# KiCad board TRS80_Model_I_Jap20_E1.kicad_pcb (continued)
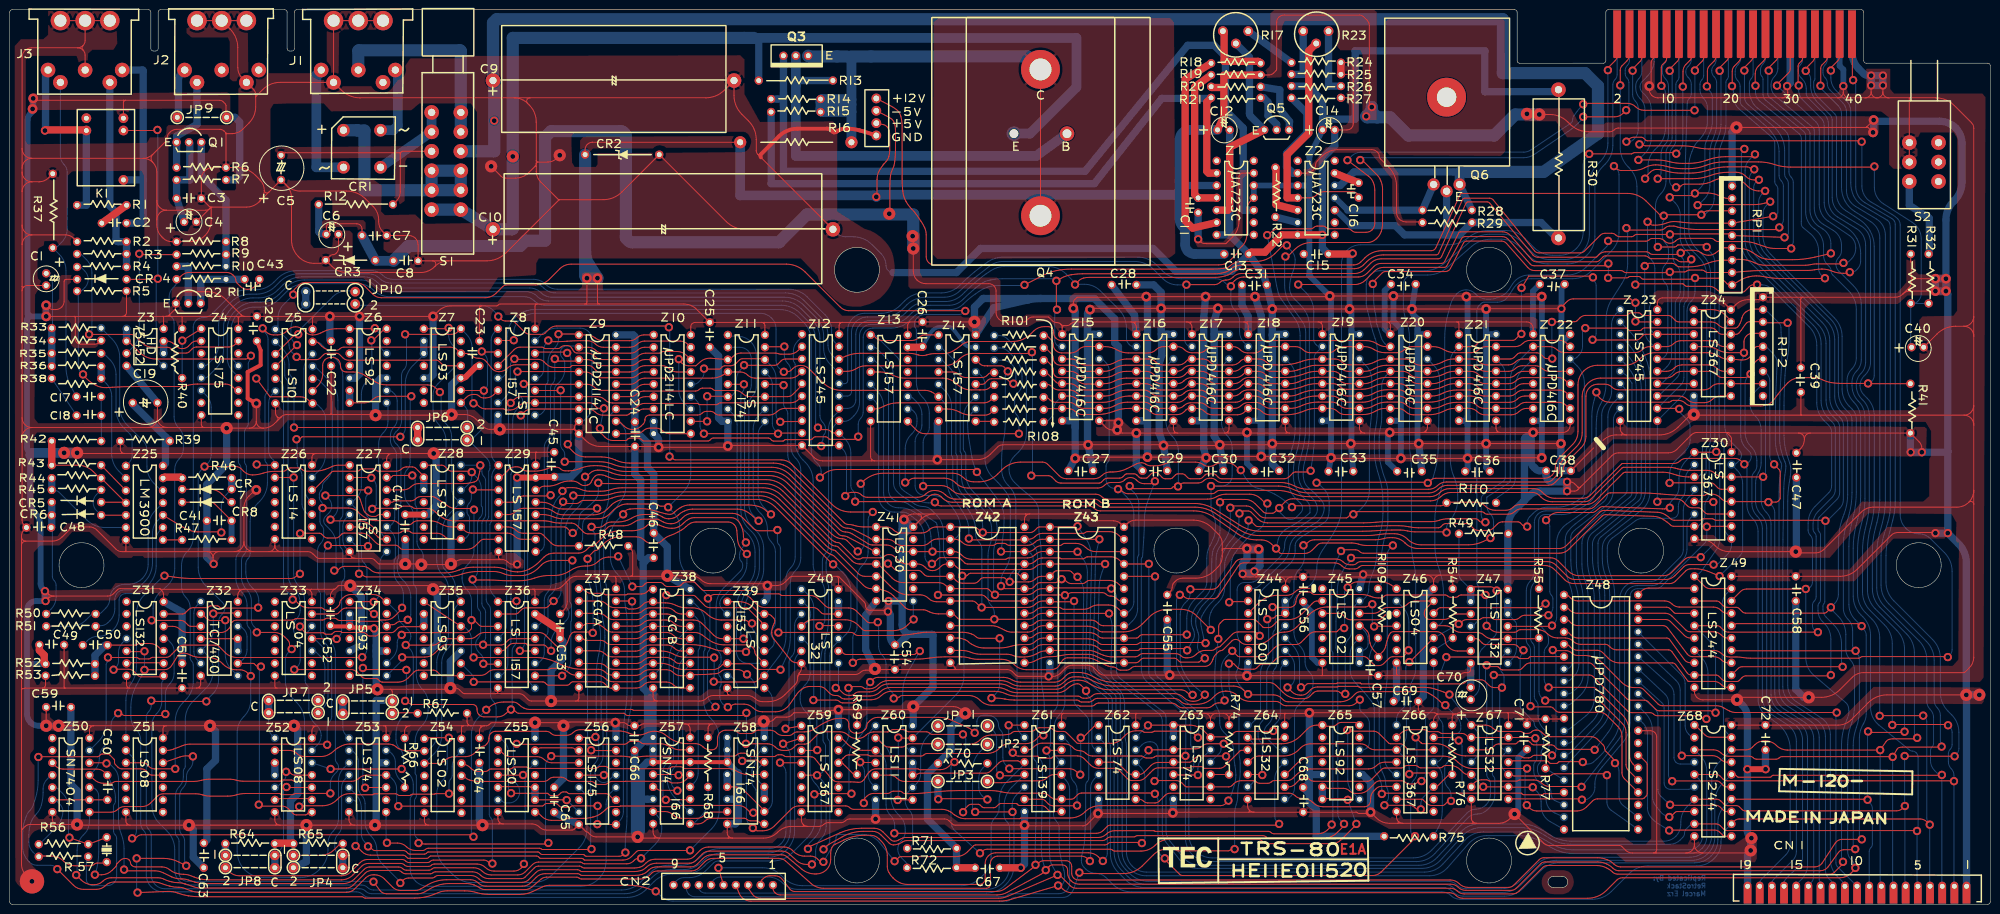
[diagram p0: board, top side]
## Routing (per net, layer and track width the routed paths; a pad name or vN(x,y) marks a point on that pad's centre or on a via; arc(x,y) is an arc through that point) (continued)
Net-(Q2-C): length 10
  Bottom w1.5: Q2.2 36.7,130.98 36.7,131.13 arc(36.68,131.19) 36.63,131.21 36.47,131.21 R10.1
Net-(Q3-B): length 168.2
  Bottom w1.5: 159,166.9 159,165.63 ; 159,166.9 Q3.1 ; 159,166.9 159,164.36 ; 159,165.63 156.46,165.63 ; 159,165.63 159,164.36 ; Z1.10 253.72,142.77 253.57,142.77 arc(253.51,142.79) 253.49,142.84 253.49,143 253.49,159.58 arc(253.48,159.65) 253.44,159.71 249.83,163.32 249.83,174.37 247.52,176.68 242.06,176.68 220.98,150.77 159,150.77 159,164.36
Net-(Q3-C): length 88.4
  Bottom w1.5: R13.2 161.54,169.44 161.54,166.44
  Bottom w2: Q3.2 161.54,153.94 210.94,153.94 Q4.1
Net-(Q3-E): length 123.1
  Top w0.2: Q4.3 Q4.3
  Bottom w2: 166.62,164.99 166.62,165.31 arc(166.71,165.53) 166.94,165.63 172.84,165.63 172.97,165.5 ; 166.62,164.99 166.62,163.72 ; 166.62,164.99 arc(166.81,164.54) 167.26,164.36 ; 172.97,165.5 172.97,173.39 ; 172.97,165.5 172.97,164.5 ; 172.97,163 172.93,162.96 167,162.96 arc(166.73,163.07) 166.62,163.34 166.62,163.72 ; 172.97,163 R16.1 ; 172.97,163 172.97,164.5 ; 166.62,163.72 arc(166.81,164.17) 167.26,164.36 ; 167.26,164.36 172.83,164.36 172.97,164.5 ; 172.97,173.39 172.97,174.39 171.97,174.39 ; 172.97,173.39 arc(172.68,174.1) 171.97,174.39 ; 171.97,174.39 169.97,174.39
  Bottom w2.5: 172.97,174.39 209.12,174.39 arc(209.15,174.38) 209.18,174.37 Q4.3 ; Q3.3 164.16,174.46 arc(164.24,174.41) 164.33,174.39 171.97,174.39
Net-(Q4-E): length 211.6
  Bottom w1.5: R13.1 153.92,178.2 150.92,178.2
  Bottom w2: Q4.2 209.67,158.51 219.2,168.04 219.2,178.2 152.92,178.2
  Bottom w2.5: 152.92,178.2 103.38,178.2 v3(103.38,153.82) 103.38,139.05 arc(103.36,138.96) 103.31,138.89 arc(103.24,138.85) 103.16,138.83 C10.1 S1.6 S1.7
Net-(Q5-B): length 12.9
  Bottom w1.5: Q5.3 263,161 261,163.5 261,167.5 R20.1
Net-(Q5-C): length 8.3
  Bottom w1.5: R21.2 257.68,165.88 258.57,164.99 258.57,162.2 260.35,160.42 Q5.2
Net-(Q5-E): length 43.5
  Top w1.5: Z1.5 250.31,142.77 250.7,143.15 250.7,155.72 Q5.1
  Bottom w1.5: Q5.1 254.97,162.11 arc(254.82,162.35) 254.76,162.62 254.76,174.26 R17.2
Net-(Q6-B): length 24.8
  Bottom w1.2: Z2.11 272.35,145.31 arc(272.4,145.3) 272.45,145.26 274.95,142.77
  Bottom w1.5: Q6.1 R28.2 274.95,142.77
Net-(Q6-C): length 59.5
  Bottom w1.2: 275.71,139.59 272.63,142.68 arc(272.53,142.74) 272.41,142.77 Z2.10
  Bottom w1.5: R30.2 318.07,137.05 arc(317.89,137.09) 317.74,137.19 314.7,140.23 300.48,140.23 297.94,137.69 295.5,137.69 ; Q6.2 295.27,137.91 295.5,137.69 ; 295.5,137.69 286.64,137.69 284.73,139.59 275.71,139.59
Net-(Q6-E): length 350.2
  Bottom w1.5: Z2.12 273.43,147.85 276.22,150.64 299.23,150.64 ; Q6.3 R28.1
  Bottom w2: Q6.3 297.94,150.64 299.23,150.64
  Bottom w2.5: S1.3 99.57,154.88 v2(99.57,161.18) 99.57,169 arc(99.53,169.17) 99.44,169.31 arc(99.35,169.45) 99.31,169.62 99.31,181.31 100.05,182.05 306.79,182.05 306.83,182.01 306.83,170.96 323.72,170.96 326.34,168.34 326.39,168.29 326.39,158.56 326.39,158.51 326.35,158.49 315.21,150.64 299.23,150.64
Net-(R17-Pad1): length 13.9
  Top w1.5: R17.1 249.43,179.47 arc(249.52,179.33) 249.55,179.16 249.55,173.37 256.53,173.37 arc(256.65,173.35) 256.76,173.28 R18.1
Net-(R17-Pad3): length 11
  Bottom w1.5: R24.1 R17.3
Net-(R23-Pad1): length 11.3
  Bottom w1.5: R25.1 265.81,170.71 R23.1
Net-(R23-Pad3): length 13.9
  Bottom w1.5: 271,179.58 R23.3 271.02,168.29 R26.2 273.55,168.29
Net-(R32-Pad2): length 17.1
  Bottom w1.5: 394.46,133.75 394.46,141.12 390.37,143.78 S2.4
Net-(R54-Pad2): length 4.7
  Bottom w0.2: 296.54,54.76 Z46.9
Net-(R56-Pad1): length 20.2
  Top w0.2: v2(12.27,13.71) 16.13,12.34 Y1.2
  Bottom w0.2: Z50.5 9.21,24.02 arc(9.62,23.94) 9.96,23.71 10.86,22.82 arc(11.75,21.48) 12.06,19.9 12.06,14.06 arc(12.09,13.92) 12.16,13.81 v2(12.27,13.71)
Net-(R57-Pad2): length 33.8
  Top w0.2: Y1.1 19.84,8.58 arc(19.72,8.5) 19.59,8.48 18,8.48 arc(17.63,8.4) 17.32,8.2 arc(17.01,7.99) 16.65,7.92 13.43,7.92 arc(12.12,8.18) 11.01,8.92 arc(9.9,9.66) 8.59,9.93 5.97,9.93
  Bottom w0.2: 5.97,9.93 5.78,9.93 arc(5.6,9.96) 5.45,10.06 4.76,10.75 arc(4.15,11.66) 3.94,12.74 3.94,14.35 arc(4.02,15.5) 4.28,16.62 4.3,16.66 arc(4.75,17.67) 5.43,18.53 arc(6.09,19.4) 6.51,20.41 6.54,20.53 arc(6.78,21.75) 6.86,22.98 6.86,23.74 arc(7.07,24.82) 7.68,25.74 8.42,26.47 arc(8.52,26.54) 8.63,26.56 Z50.4
Net-(R101-Pad2): length 137.7
  Top w0.2: R69.2 173.78,26.69 arc(173.48,26.75) 173.22,26.92 171.3,28.84 arc(171.01,29.03) 170.67,29.1 arc(170.53,29.2) 170.57,29.36 171.24,30.03 arc(171.25,30.04) 171.26,30.04 arc(171.27,30.04) 171.28,30.05 171.61,30.38 arc(171.99,30.64) 172.44,30.73 176.28,30.73 arc(176.44,30.7) 176.57,30.61 arc(176.7,30.52) 176.86,30.49 187.28,30.49 arc(187.62,30.56) 187.9,30.75 arc(188.19,30.94) 188.53,31.01 200.68,31.01 arc(201.41,31.07) 202.12,31.26 arc(202.77,31.58) 203.34,32.04 203.58,32.28 arc(204.42,32.84) 205.42,33.04 208.81,33.04 arc(209.94,33.26) 210.89,33.9 211.52,34.53 arc(211.78,34.71) 212.09,34.77 v2(212.42,34.77)
  Bottom w0.2: v2(212.42,34.77) 212.51,34.86 arc(212.57,34.95) 212.6,35.07 212.6,40.69 arc(212.52,42.3) 212.28,43.9 arc(212.04,45.49) 211.96,47.1 211.96,72.2 arc(211.9,73.67) 211.71,75.14 arc(211.52,76.61) 211.45,78.08 211.45,80.8 arc(211.31,81.76) 210.88,82.63 arc(210.26,83.41) 209.53,84.09 208.9,84.6 arc(207.67,85.65) 206.5,86.76 206.48,86.78 arc(205.65,88.02) 205.36,89.49 arc(205.65,90.96) 206.48,92.2 207.32,93.04 arc(208.5,94.81) 208.91,96.89 208.91,109.69 arc(208.71,111.22) 208.12,112.64 arc(207.24,113.94) 206.21,115.12 205.06,116.27 arc(204.26,116.8) 203.32,116.99 R101.2
Net-(R109-Pad2): length 54.1
  Top w0.2: v2(289.96,19.53) 289.53,19.53 arc(289.13,19.61) 288.8,19.83 288.68,19.95 arc(288.22,20.26) 287.67,20.36 v2(282.5,20.36) ; Z66.11 292.92,24.15 arc(293.22,24.21) 293.47,24.37 295.56,26.46 arc(295.81,26.63) 296.1,26.69 R76.2
  Bottom w0.2: R109.2 280.22,53.1 arc(279.51,51.39) 279.27,49.55 279.27,45.67 arc(279.45,44.53) 279.98,43.51 280.79,42.41 arc(281.27,41.49) 281.43,40.48 281.43,30.13 arc(281.59,28.63) 282.06,27.2 282.46,26.32 arc(282.64,25.79) 282.7,25.23 arc(282.76,24.67) 282.94,24.14 283.02,23.96 arc(283.25,23.24) 283.33,22.49 283.33,22.07 arc(283.23,21.53) 282.92,21.06 282.6,20.74 arc(282.52,20.63) 282.5,20.5 v2(282.5,20.36) ; Z66.11 290.66,22.21 arc(290.15,21.43) 289.96,20.52 v2(289.96,19.53)
Net-(Z1--): length 30.8
  Top w1.5: C11.1 243.5,146.03 243.5,168.08 243.71,168.29 R19.2 ; 244.47,145.31 Z1.4
Net-(Z1-FC): length 29.6
  Top w0.2: Z1.13 253.29,150.39 arc(253.12,150.35) 252.98,150.26 252.73,150.01 arc(252.63,149.87) 252.6,149.7 252.6,140.46 arc(252.25,138.72) 251.27,137.24 249.92,135.9 arc(249.91,135.89) 249.89,135.89 245.91,135.89 arc(245.89,135.89) 245.88,135.9 arc(245.87,135.91) 245.85,135.91 245.49,135.91 arc(245.14,135.98) 244.84,136.18 v2(244.22,136.8)
  Bottom w1.5: v2(244.22,136.8) C11.2
Net-(Z1-ILIM): length 131.5
  Top w1.5: R21.1 246,164.99 246,150.77 246.38,150.39 Z1.2
  Bottom w1.5: R21.1 246.82,165.82 arc(246.75,165.77) 246.67,165.75 236.73,165.75 222.97,148.34 222.88,148.23 222.74,148.23 156.46,148.23 156.46,163.09
Net-(Z1-VREF): length 42.6
  Top w1.5: R18.2 241.55,169.69 241.55,140.61 243.08,139.08 Z1.6
Net-(Z2-+): length 12.2
  Top w1.5: Z2.5 260.22,143.91 260.22,151.53
Net-(Z2--): length 50
  Top w0.2: Z2.4 267.07,145.31 arc(267.9,145.47) 268.6,145.94 arc(269.31,146.41) 270.14,146.58 275.96,146.58 arc(276.44,146.48) 276.84,146.21 277.03,146.03 arc(277.16,145.83) 277.2,145.6 C16.2
  Top w1.5: Z2.4 262.51,145.31 262.51,154.2 266.95,158.64 266.95,175.53 R23.2
Net-(Z2-FC): length 5.3
  Top w1.5: Z2.13 C16.1
Net-(Z2-ILIM): length 59
  Top w0.2: Z2.2 266.4,150.39 arc(267.14,150.54) 267.78,150.96 267.99,151.17 arc(268.26,151.57) 268.35,152.04 arc(268.44,152.51) 268.71,152.91 269.68,153.88 arc(271.16,154.87) 272.9,155.21 279.91,155.21 arc(280.49,155.1) 280.99,154.77 281.16,154.59 arc(281.36,154.29) 281.43,153.94 arc(281.5,153.59) 281.7,153.29 283.39,151.6 arc(284.57,149.83) 284.99,147.75 284.99,142.31 arc(285.13,141.56) 285.56,140.93 arc(286.19,140.5) 286.94,140.35 290.32,140.35
  Bottom w1.5: R27.1 266.57,162.71 266.57,158.64 262.38,154.45 262.38,151.69 263.29,150.78 263.29,150.75 263.65,150.39 Z2.2
Net-(Z2-VREF): length 4.7
  Bottom w1.5: Z2.6 R22.1
Net-(Z3A-1Y): length 29.1
  Top w0.2: 34.29,133.62 26.92,133.62 arc(26.8,133.65) 26.71,133.71 v2(26.62,133.8)
  Bottom w0.2: v2(26.62,133.8) 26.62,117.77 arc(26.28,116.06) 25.31,114.61 Z3.3
Net-(Z3B-2A): length 11.3
  Top w0.2: 39.37,115.84 38.33,115.84 arc(37.81,115.74) 37.37,115.44 36.72,114.8 arc(36.16,114.42) 35.51,114.29 35.34,114.29 arc(34.84,114.39) 34.41,114.68 arc(34.01,115.05) 33.57,115.38 33.41,115.48 arc(32.86,115.75) 32.26,115.84 31.62,115.84
  Bottom w1.5: 31.62,115.84 Z3.6
Net-(Z4-Q3): length 51.1
  Top w0.2: v2(16.3,117.21) 24.83,117.21 arc(25.42,117.1) 25.93,116.76 27.25,115.44 arc(28.21,114.8) 29.34,114.57 32.36,114.57 arc(32.83,114.48) 33.22,114.22 33.82,113.62 arc(34.09,113.44) 34.4,113.38 36.25,113.38 arc(36.6,113.45) 36.89,113.65 37.51,114.27 arc(37.91,114.53) 38.37,114.62 45.04,114.62 arc(45.71,114.76) 46.28,115.14 46.99,115.84
  Bottom w0.2: v2(16.3,117.21) 16.6,117.51 arc(16.81,117.83) 16.89,118.21 16.89,129.85 arc(16.59,131.34) 15.75,132.61 14.87,133.48 arc(14.57,133.68) 14.22,133.75 R3.1
Net-(Z4-~{Mr}): length 12.3
  Top w0.2: v2(35.46,115.94) Z4.1
  Bottom w0.2: v2(35.46,115.94) 35.44,115.93 arc(35.43,115.92) 35.43,115.9 R40.2
Net-(Z4-~{Q2}): length 58.3
  Top w0.2: Z4.11 46.78,105.68 arc(46.6,105.72) 46.44,105.83 45.92,106.34 arc(45.19,106.83) 44.33,107 38.58,107 arc(37.6,106.94) 36.64,106.75 arc(35.68,106.56) 34.7,106.5 25.84,106.5 arc(23.49,106.46) 21.16,106.35 19.92,106.27 arc(18.71,106.37) 17.57,106.81 17.36,106.94 arc(16.52,107.49) 15.77,108.15 15.11,108.81 arc(15.07,108.86) 15.06,108.92 v2(15.06,108.98)
  Bottom w0.2: R4.2 14.22,131.08 arc(14.57,131.01) 14.87,130.81 15.41,130.28 arc(15.94,129.48) 16.13,128.54 16.13,128.51 arc(15.95,127.6) 15.43,126.83 15.04,126.44 arc(14.7,126.21) 14.29,126.13 14.02,126.13 arc(13.95,126.08) 13.97,126 arc(14.06,125.86) 14.1,125.7 14.1,110.63 arc(14.22,110) 14.58,109.47 v2(15.06,108.98)
Net-(Z6-CP1..3): length 111.2
  Top w0.2: Z31.13 35.51,59.71 arc(35.81,59.77) 36.07,59.94 36.71,60.59 arc(37.18,60.9) 37.73,61 40.58,61 arc(40.68,61.02) 40.77,61.08 40.96,61.27 arc(41.08,61.36) 41.23,61.39 42.67,61.39 arc(42.83,61.35) 42.97,61.26 43.2,61.03 arc(43.32,60.95) 43.45,60.93 50.92,60.93 arc(50.97,60.94) 51.01,60.97 v2(51.05,61) ; v2(51.97,118.46) 52.64,117.78 arc(53.39,117.28) 54.28,117.11 54.96,117.11 arc(56.06,117.32) 56.99,117.95 57.19,118.14 arc(57.9,118.62) 58.75,118.79 arc(59.59,118.62) 60.31,118.14 60.72,117.73 arc(61.41,117.27) 62.23,117.11 arc(63.09,117.21) 63.91,117.5 64.39,117.74 arc(65.7,118.22) 67.08,118.38 Z6.1 74.86,118.38 arc(74.92,118.4) 74.98,118.43 v2(75.03,118.48)
  Bottom w0.2: v2(51.05,61) 51.12,61.07 arc(51.16,61.14) 51.18,61.22 51.18,62.45 arc(50.94,63.67) 50.25,64.71 49.85,65.11 arc(48.86,66.58) 48.51,68.33 48.51,70 arc(48.63,70.58) 48.96,71.08 arc(49.29,71.57) 49.4,72.15 49.4,78.66 arc(49.82,80.75) 50.99,82.51 51.36,82.88 arc(52.54,84.65) 52.96,86.73 52.96,90.21 arc(52.89,90.54) 52.7,90.82 arc(52.52,91.11) 52.45,91.44 52.45,104.34 arc(52.53,104.76) 52.77,105.11 arc(53,105.46) 53.08,105.88 53.08,116.2 arc(52.94,116.93) 52.53,117.54 52.09,117.98 arc(52,118.12) 51.97,118.28 v2(51.97,118.46) ; Z6.12 77.4,113.3 arc(77.35,113.31) 77.3,113.35 76.71,113.94 arc(76.24,114.64) 76.07,115.47 76.07,116.71 arc(75.94,117.39) 75.55,117.96 v2(75.03,118.48)
Net-(Z7-R0(1)): length 59.8
  Top w0.2: v2(58.93,95.65) 59.29,95.65 arc(59.54,95.7) 59.75,95.84 60.01,96.09 arc(60.08,96.14) 60.16,96.16 v2(80.26,96.16)
  Bottom w0.2: v2(80.26,96.16) 80.77,96.67 arc(81.15,97.23) 81.28,97.89 81.28,106.99 arc(81.69,109.07) 82.87,110.83 85,112.96 arc(85.06,113.06) 85.09,113.18 ; v2(58.93,95.65) 58.99,95.59 arc(59.04,95.52) 59.05,95.43 59.05,90.65 arc(59.19,89.99) 59.56,89.43 arc(59.94,88.86) 60.07,88.2 60.07,82.32 arc(60.23,81.49) 60.7,80.79 61.07,80.43 arc(61.37,80.23) 61.72,80.16 Z26.10
  Bottom w1.5: 85.09,113.18 Z7.3 Z7.2
Net-(Z12-A->B): length 67
  Top w0.2: v2(166.39,57.25) 166.43,57.28 arc(166.47,57.31) 166.52,57.32 170.04,57.32 arc(170.14,57.3) 170.23,57.25 Z40.11
  Bottom w0.2: v2(166.39,57.25) 166.61,57.25 arc(166.81,57.28) 166.98,57.4 167.17,57.59 arc(167.42,57.97) 167.51,58.42 167.51,64.1 arc(167.2,65.68) 166.3,67.01 arc(165.41,68.35) 165.1,69.92 165.1,87.05 arc(164.68,89.13) 163.5,90.89 163.01,91.39 arc(161.83,93.15) 161.41,95.24 161.41,111 arc(161.37,111.25) 161.22,111.46 arc(161.08,111.67) 161.03,111.92 161.03,113.7 arc(161.27,114.86) 161.92,115.84 162.63,116.55 arc(162.77,116.75) 162.81,116.99 Z12.1
Net-(Z12-CE): length 248.3
  Top w0.2: v2(34.01,27.86) 29.72,27.86 arc(29.15,27.97) 28.67,28.29 28.05,28.91 arc(27.84,29.05) 27.59,29.1 Z51.3
  Bottom w0.2: Z12.19 169.67,115.46 arc(169.11,116.31) 168.91,117.3 168.91,118.07 arc(168.57,119.77) 167.61,121.21 163.9,124.92 arc(162.13,126.1) 160.05,126.51 112.56,126.51 arc(111.23,126.78) 110.11,127.53 arc(108.98,128.28) 107.65,128.54 78.73,128.54 arc(77.56,128.77) 76.58,129.43 arc(75.59,130.09) 74.43,130.32 58.89,130.32 arc(56.81,129.91) 55.05,128.73 54.3,127.98 arc(52.53,126.8) 50.45,126.38 48.73,126.38 arc(46.65,125.97) 44.89,124.79 41.44,121.34 arc(40.69,120.84) 39.81,120.67 39.67,120.67 arc(38.92,120.52) 38.29,120.1 arc(37.87,119.46) 37.72,118.72 37.72,75.51 arc(37.4,73.94) 36.51,72.6 arc(35.62,71.26) 35.3,69.69 35.3,65.28 arc(35.54,64.12) 36.19,63.14 arc(36.85,62.15) 37.08,60.99 37.08,50.76 arc(37.16,50.35) 37.4,49.99 arc(37.63,49.64) 37.72,49.23 37.72,45.83 arc(37.3,43.75) 36.12,41.99 35.6,41.47 arc(34.42,39.7) 34.01,37.62 v2(34.01,27.86)
Net-(Z13-Za): length 26.6
  Top w0.2: R105.2 202.12,106.83 arc(201.94,106.79) 201.79,106.69 201.42,106.32 arc(200.86,105.94) 200.19,105.81 199.39,105.81 arc(199.39,105.81) 199.38,105.81 arc(199.38,105.8) 199.37,105.8 197.55,105.8 arc(195.97,106.12) 194.63,107.01 arc(193.29,107.91) 191.71,108.22 183.99,108.22 arc(182.66,108.38) 181.42,108.86 arc(180.17,109.33) 178.85,109.49 Z13.4
Net-(Z13-Zb): length 26
  Top w0.2: Z13.7 177.67,101.87 arc(178.41,101.96) 179.12,102.2 179.77,102.51 arc(181.14,102.98) 182.58,103.14 200.23,103.14 arc(200.98,103.29) 201.61,103.71 202.14,104.24 arc(202.19,104.27) 202.25,104.29 R106.2
Net-(Z13-Zc): length 45.4
  Top w0.2: v2(207.39,96.79) 188.07,96.79 arc(187.14,96.98) 186.36,97.5 Z13.9
  Bottom w0.2: R102.2 203.39,114.45 arc(204.39,114.25) 205.23,113.68 206.43,112.48 arc(207.61,110.72) 208.02,108.64 208.02,107.14 arc(207.83,106.15) 207.26,105.3 arc(206.7,104.46) 206.5,103.46 206.5,101.74 arc(206.62,101.16) 206.94,100.67 arc(207.27,100.17) 207.39,99.59 v2(207.39,96.79)
Net-(Z14-Za): length 12.1
  Top w0.2: R104.2 201.86,109.37 arc(201.45,109.28) 201.11,109.05 200.81,108.75 arc(200.36,108.46) 199.83,108.35 199.27,108.35 arc(199.26,108.35) 199.26,108.35 arc(199.25,108.34) 199.25,108.34 196.53,108.34 arc(195.77,108.49) 195.14,108.92 arc(194.5,109.34) 193.75,109.49 Z14.4
Net-(Z14-Zb): length 12
  Top w0.2: Z14.7 192.75,101.87 arc(194.01,101.71) 195.2,101.24 arc(196.38,100.76) 197.65,100.6 200.36,100.6 arc(201.1,100.75) 201.74,101.17 R107.2
Net-(Z14-Zc): length 3.9
  Top w0.2: R108.2 202.25,99.27 arc(202.18,99.32) 202.09,99.33 Z14.9
Net-(Z14-Zd): length 16.7
  Top w0.2: v2(206.25,107.08) 206.06,107.08 arc(205.88,107.12) 205.73,107.21 205.04,107.91 arc(204.83,108.05) 204.58,108.1 201.74,108.1 arc(201.33,108.01) 200.98,107.78 200.4,107.21 arc(200.12,107.02) 199.79,106.95 Z14.12
  Bottom w0.2: R103.2 203.94,111.91 arc(205.01,111.69) 205.93,111.08 arc(206.54,110.17) 206.75,109.09 206.75,107.95 arc(206.69,107.62) 206.5,107.33 v2(206.25,107.08)
Net-(Z15-A0): length 105.7
  Top w0.2: 212.47,109.49 212.7,109.49 arc(212.91,109.45) 213.09,109.33 215.01,107.41 arc(215.37,107.17) 215.81,107.08 Z15.5 217.83,107.08 arc(218.67,106.91) 219.39,106.43 arc(220.11,105.95) 220.95,105.78 224.63,105.78 arc(226.02,105.95) 227.33,106.43 arc(228.64,106.92) 230.02,107.08 Z16.5 233.4,107.08 arc(234.24,106.91) 234.96,106.43 arc(235.68,105.95) 236.52,105.78 240.1,105.78 arc(240.95,105.95) 241.67,106.43 242.09,106.86 arc(242.34,107.02) 242.63,107.08 Z17.5 244.67,107.08 arc(245.5,106.91) 246.2,106.44 arc(246.9,105.98) 247.73,105.81 251.42,105.81 arc(252.25,105.98) 252.96,106.44 253.27,106.76 arc(253.63,107) 254.05,107.08 Z18.5 256.22,107.08 arc(257.05,106.91) 257.76,106.44 arc(258.46,105.98) 259.29,105.81 261.89,105.81 arc(263.75,105.97) 265.56,106.44 266.2,106.67 arc(267.35,106.98) 268.54,107.08 Z19.5 271.95,107.08 arc(272.71,106.93) 273.34,106.5 arc(273.98,106.08) 274.73,105.93 277.86,105.93 arc(279.11,106.07) 280.29,106.5 280.41,106.57 arc(281.46,106.95) 282.57,107.08 Z20.5 285.59,107.08 arc(286.42,106.91) 287.12,106.44 arc(287.82,105.98) 288.65,105.81 291.58,105.81 arc(293.08,105.97) 294.51,106.44 295.04,106.69 arc(295.93,106.98) 296.86,107.08 Z21.5 300.13,107.08 arc(300.92,106.92) 301.6,106.47 arc(302.27,106.02) 303.07,105.86 308.18,105.86 arc(308.97,106.02) 309.65,106.47 arc(310.32,106.92) 311.12,107.08 Z22.5
Net-(Z15-A1): length 105
  Top w0.2: Z22.7 311.75,102 arc(310.89,101.83) 310.16,101.34 arc(309.43,100.85) 308.56,100.68 303.17,100.68 arc(302.3,100.85) 301.57,101.34 arc(300.84,101.83) 299.98,102 Z21.7 296.86,102 arc(295.93,101.9) 295.05,101.59 294.51,101.34 arc(293.08,100.85) 291.57,100.68 288.43,100.68 arc(287.57,100.85) 286.84,101.34 arc(286.11,101.83) 285.25,102 Z20.7 282.7,102 arc(281.72,101.87) 280.8,101.51 280.54,101.36 arc(279.36,100.89) 278.09,100.73 274.4,100.73 arc(273.57,100.9) 272.87,101.36 arc(272.17,101.83) 271.34,102 Z19.7 268.54,102 arc(267.35,101.89) 266.21,101.55 265.68,101.34 arc(264,100.85) 262.25,100.68 258.92,100.68 arc(258.06,100.85) 257.33,101.34 arc(256.59,101.83) 255.73,102 255.44,102 arc(254.58,101.83) 253.85,101.34 arc(253.11,100.85) 252.25,100.68 247.16,100.68 arc(246.3,100.85) 245.57,101.34 arc(244.83,101.83) 243.97,102 242.49,102 arc(242.07,101.92) 241.71,101.68 241.39,101.35 arc(240.67,100.87) 239.82,100.7 235.94,100.7 arc(235.09,100.87) 234.38,101.35 arc(233.66,101.83) 232.81,102 Z16.7 230,102 arc(228.5,101.86) 227.05,101.45 226.82,101.37 arc(225.14,100.89) 223.4,100.73 220.48,100.73 arc(219.65,100.9) 218.95,101.36 arc(218.24,101.83) 217.41,102 216.31,102 arc(216.28,101.99) 216.25,101.97 arc(216.23,101.96) 216.19,101.95 212.82,101.95 arc(212.68,101.92) 212.57,101.85 212.47,101.75
Net-(Z15-A2): length 108.2
  Top w0.2: Z22.6 311.35,104.54 arc(310.51,104.37) 309.79,103.89 arc(309.07,103.41) 308.23,103.24 303.43,103.24 arc(302.58,103.41) 301.86,103.89 arc(301.15,104.37) 300.3,104.54 296.99,104.54 arc(296.18,104.46) 295.4,104.21 294.7,103.91 arc(293.21,103.43) 291.65,103.27 288.55,103.27 arc(287.72,103.44) 287.02,103.91 arc(286.31,104.37) 285.48,104.54 Z20.6 282.57,104.54 arc(281.47,104.39) 280.44,103.96 280.35,103.91 arc(279.23,103.43) 278.02,103.27 274.81,103.27 arc(273.98,103.44) 273.28,103.91 arc(272.57,104.37) 271.74,104.54 Z19.6 268.41,104.54 arc(267.1,104.42) 265.84,104.05 265.49,103.92 arc(263.87,103.45) 262.2,103.3 258.94,103.3 arc(258.13,103.46) 257.44,103.92 arc(256.75,104.38) 255.94,104.54 Z18.6 254.28,104.54 arc(254.07,104.5) 253.89,104.38 253.41,103.91 arc(252.71,103.44) 251.88,103.27 247.68,103.27 arc(246.85,103.44) 246.15,103.91 arc(245.45,104.37) 244.62,104.54 Z17.6 242.54,104.54 arc(242.17,104.47) 241.85,104.25 241.49,103.89 arc(240.77,103.41) 239.92,103.24 236.12,103.24 arc(235.27,103.41) 234.55,103.89 arc(233.84,104.37) 232.99,104.54 Z16.6 230.02,104.54 arc(228.64,104.38) 227.33,103.89 arc(226.02,103.41) 224.63,103.24 220.88,103.24 arc(220.03,103.41) 219.31,103.89 arc(218.6,104.37) 217.75,104.54 Z15.6
  Bottom w0.2: 212.47,99.21 212.79,99.21 arc(213.08,99.26) 213.33,99.43 213.8,99.9 arc(214.32,100.68) 214.5,101.59 214.5,101.68 arc(214.7,102.68) 215.26,103.53 Z15.6
Net-(Z15-A3): length 115
  Top w0.2: Z22.12 320.52,107.08 arc(320.38,107.11) 320.26,107.19 319.75,107.7 arc(319.06,108.16) 318.24,108.32 311.06,108.32 arc(310.25,108.16) 309.56,107.7 arc(308.87,107.24) 308.06,107.08 Z21.12 303.23,107.08 arc(302.4,107.25) 301.7,107.72 arc(301,108.18) 300.17,108.35 297.38,108.35 arc(295.94,108.19) 294.57,107.72 294.1,107.49 arc(293.22,107.18) 292.29,107.08 Z20.12 289.48,107.08 arc(288.64,107.25) 287.92,107.73 arc(287.2,108.21) 286.36,108.38 282.93,108.38 arc(281.6,108.21) 280.35,107.73 279.93,107.5 arc(279.12,107.19) 278.25,107.08 Z19.12 274.92,107.08 arc(274.06,107.25) 273.33,107.74 arc(272.6,108.23) 271.73,108.4 268.98,108.4 arc(267.24,108.23) 265.55,107.74 264.73,107.41 arc(263.89,107.16) 263.01,107.08 Z18.12 259.49,107.08 arc(258.64,107.25) 257.92,107.73 arc(257.2,108.21) 256.36,108.38 254.66,108.38 arc(253.81,108.21) 253.1,107.73 arc(252.38,107.25) 251.53,107.08 Z17.12 247.97,107.08 arc(247.16,107.24) 246.47,107.7 arc(245.78,108.16) 244.96,108.32 242.84,108.32 arc(242.03,108.16) 241.34,107.7 241.27,107.64 arc(240.65,107.22) 239.93,107.08 236.65,107.08 arc(235.9,107.23) 235.26,107.66 arc(234.62,108.08) 233.87,108.23 229.5,108.23 arc(228.25,108.09) 227.07,107.66 226.84,107.54 arc(225.9,107.2) 224.91,107.08 223.95,107.08 arc(223.9,107.07) 223.86,107.04 arc(223.82,107.01) 223.77,107 221.15,107 arc(220.29,107.18) 219.56,107.66 arc(218.82,108.15) 217.96,108.32 215.65,108.32 arc(215.2,108.41) 214.82,108.67 arc(214.56,109.05) 214.48,109.5 214.48,109.73 arc(214.34,110.4) 213.96,110.97 213.05,111.88 arc(212.88,111.99) 212.68,112.03 212.47,112.03
Net-(Z15-A4): length 113.1
  Top w0.2: Z22.11 320.62,104.54 arc(320.58,104.55) 320.54,104.58 319.96,105.15 arc(319.29,105.6) 318.49,105.76 311.07,105.76 arc(310.27,105.6) 309.6,105.15 arc(308.92,104.7) 308.13,104.54 Z21.11 303.04,104.54 arc(302.22,104.7) 301.53,105.16 arc(300.84,105.62) 300.03,105.78 297.38,105.78 arc(295.94,105.63) 294.57,105.16 294.1,104.94 arc(293.22,104.64) 292.29,104.54 Z20.11 288.49,104.54 arc(287.65,104.71) 286.93,105.19 arc(286.21,105.67) 285.37,105.84 283.05,105.84 arc(281.73,105.67) 280.48,105.19 280.11,104.99 arc(279.24,104.65) 278.32,104.54 Z19.11 274.94,104.54 arc(274.13,104.7) 273.44,105.16 arc(272.75,105.62) 271.94,105.78 268.6,105.78 arc(266.98,105.63) 265.43,105.16 264.73,104.88 arc(263.89,104.62) 263.01,104.54 Z18.11 258.86,104.54 arc(258.03,104.71) 257.33,105.17 arc(256.62,105.64) 255.79,105.81 254.46,105.81 arc(253.63,105.64) 252.93,105.18 252.91,105.15 arc(252.23,104.7) 251.43,104.54 Z17.11 247.54,104.54 arc(246.72,104.7) 246.04,105.16 arc(245.35,105.62) 244.53,105.78 242.86,105.78 arc(242.05,105.62) 241.36,105.16 241.3,105.11 arc(240.68,104.69) 239.94,104.54 236.03,104.54 arc(235.22,104.7) 234.53,105.16 arc(233.84,105.62) 233.03,105.78 229.83,105.78 arc(228.51,105.63) 227.26,105.16 227.02,105.03 arc(226.03,104.67) 224.98,104.54 Z15.11 220.82,104.54 arc(220,104.7) 219.31,105.16 arc(218.63,105.62) 217.81,105.78 215.66,105.78 arc(214.89,105.94) 214.25,106.37 214.08,106.53 arc(213.62,106.84) 213.07,106.95 212.47,106.95
Net-(Z15-A5): length 113.1
  Top w0.2: 212.47,104.29 212.84,104.29 arc(213.18,104.22) 213.47,104.03 213.73,103.77 arc(214.3,103.38) 214.98,103.24 217.63,103.24 arc(218.45,103.08) 219.14,102.62 arc(219.83,102.16) 220.64,102 Z15.10 224.98,102 arc(226.02,102.13) 227,102.52 227.2,102.64 arc(228.39,103.11) 229.65,103.27 233.08,103.27 arc(233.91,103.1) 234.62,102.64 arc(235.32,102.17) 236.15,102 Z16.10 239.94,102 arc(240.68,102.15) 241.3,102.57 241.31,102.58 arc(241.95,103) 242.7,103.15 244.57,103.15 arc(245.32,103) 245.95,102.58 arc(246.59,102.15) 247.34,102 Z17.10 251.64,102 arc(252.43,102.16) 253.11,102.61 arc(253.78,103.06) 254.58,103.22 256.13,103.22 arc(256.93,103.06) 257.6,102.61 arc(258.28,102.16) 259.08,102 Z18.10 263.14,102 arc(264.14,102.1) 265.09,102.4 265.68,102.65 arc(267.24,103.13) 268.86,103.3 271.7,103.3 arc(272.55,103.13) 273.26,102.65 arc(273.98,102.17) 274.83,102 Z19.10 278.32,102 arc(279.24,102.11) 280.11,102.45 280.48,102.65 arc(281.73,103.13) 283.05,103.3 285.49,103.3 arc(286.34,103.13) 287.06,102.65 arc(287.77,102.17) 288.62,102 Z20.10 292.29,102 arc(293.22,102.1) 294.1,102.4 294.57,102.62 arc(295.94,103.09) 297.38,103.24 299.98,103.24 arc(300.79,103.08) 301.48,102.62 arc(302.17,102.16) 302.99,102 Z21.10 308.62,102 arc(309.43,102.16) 310.12,102.62 arc(310.81,103.08) 311.62,103.24 318.35,103.24 arc(319.16,103.08) 319.85,102.62 320.4,102.07 arc(320.48,102.02) 320.57,102 Z22.10
Net-(Z15-A6): length 114.6
  Top w0.2: 212.47,114.57 212.6,114.57 arc(212.71,114.55) 212.81,114.48 214.06,113.24 arc(214.35,112.8) 214.45,112.29 arc(214.55,111.77) 214.85,111.33 214.87,111.31 arc(215.33,111) 215.88,110.89 218.07,110.89 arc(218.9,110.72) 219.61,110.25 arc(220.31,109.79) 221.14,109.62 Z15.13 224.91,109.62 arc(225.9,109.75) 226.81,110.14 227.01,110.26 arc(228.13,110.73) 229.34,110.89 233.72,110.89 arc(234.55,110.72) 235.25,110.25 arc(235.96,109.79) 236.79,109.62 239.88,109.62 arc(240.56,109.76) 241.13,110.14 241.23,110.24 arc(241.92,110.7) 242.74,110.86 244.94,110.86 arc(245.75,110.7) 246.44,110.24 arc(247.13,109.78) 247.94,109.62 Z17.13 251.46,109.62 arc(252.26,109.78) 252.93,110.23 arc(253.61,110.68) 254.4,110.84 256.31,110.84 arc(257.11,110.68) 257.78,110.23 arc(258.46,109.78) 259.25,109.62 Z18.13 262.95,109.62 arc(263.77,109.68) 264.56,109.87 267.09,110.67 arc(267.72,110.82) 268.37,110.86 272.07,110.86 arc(272.88,110.7) 273.57,110.24 arc(274.26,109.78) 275.07,109.62 Z19.13 278.38,109.62 arc(279.37,109.74) 280.29,110.11 280.54,110.24 arc(281.72,110.71) 282.99,110.86 286.32,110.86 arc(287.13,110.7) 287.82,110.24 arc(288.51,109.78) 289.32,109.62 292.16,109.62 arc(292.97,109.71) 293.74,109.97 294.32,110.24 arc(295.69,110.71) 297.13,110.86 300.31,110.86 arc(301.12,110.7) 301.81,110.24 arc(302.5,109.78) 303.32,109.62 Z21.13 308.02,109.62 arc(308.77,109.77) 309.41,110.2 arc(310.05,110.62) 310.8,110.77 313.55,110.77 arc(314.3,110.62) 314.94,110.2 arc(315.58,109.77) 316.33,109.62 Z22.13